# Altium PCB Length Bar Comparator.PcbDoc (part 1 of 6) (continued)
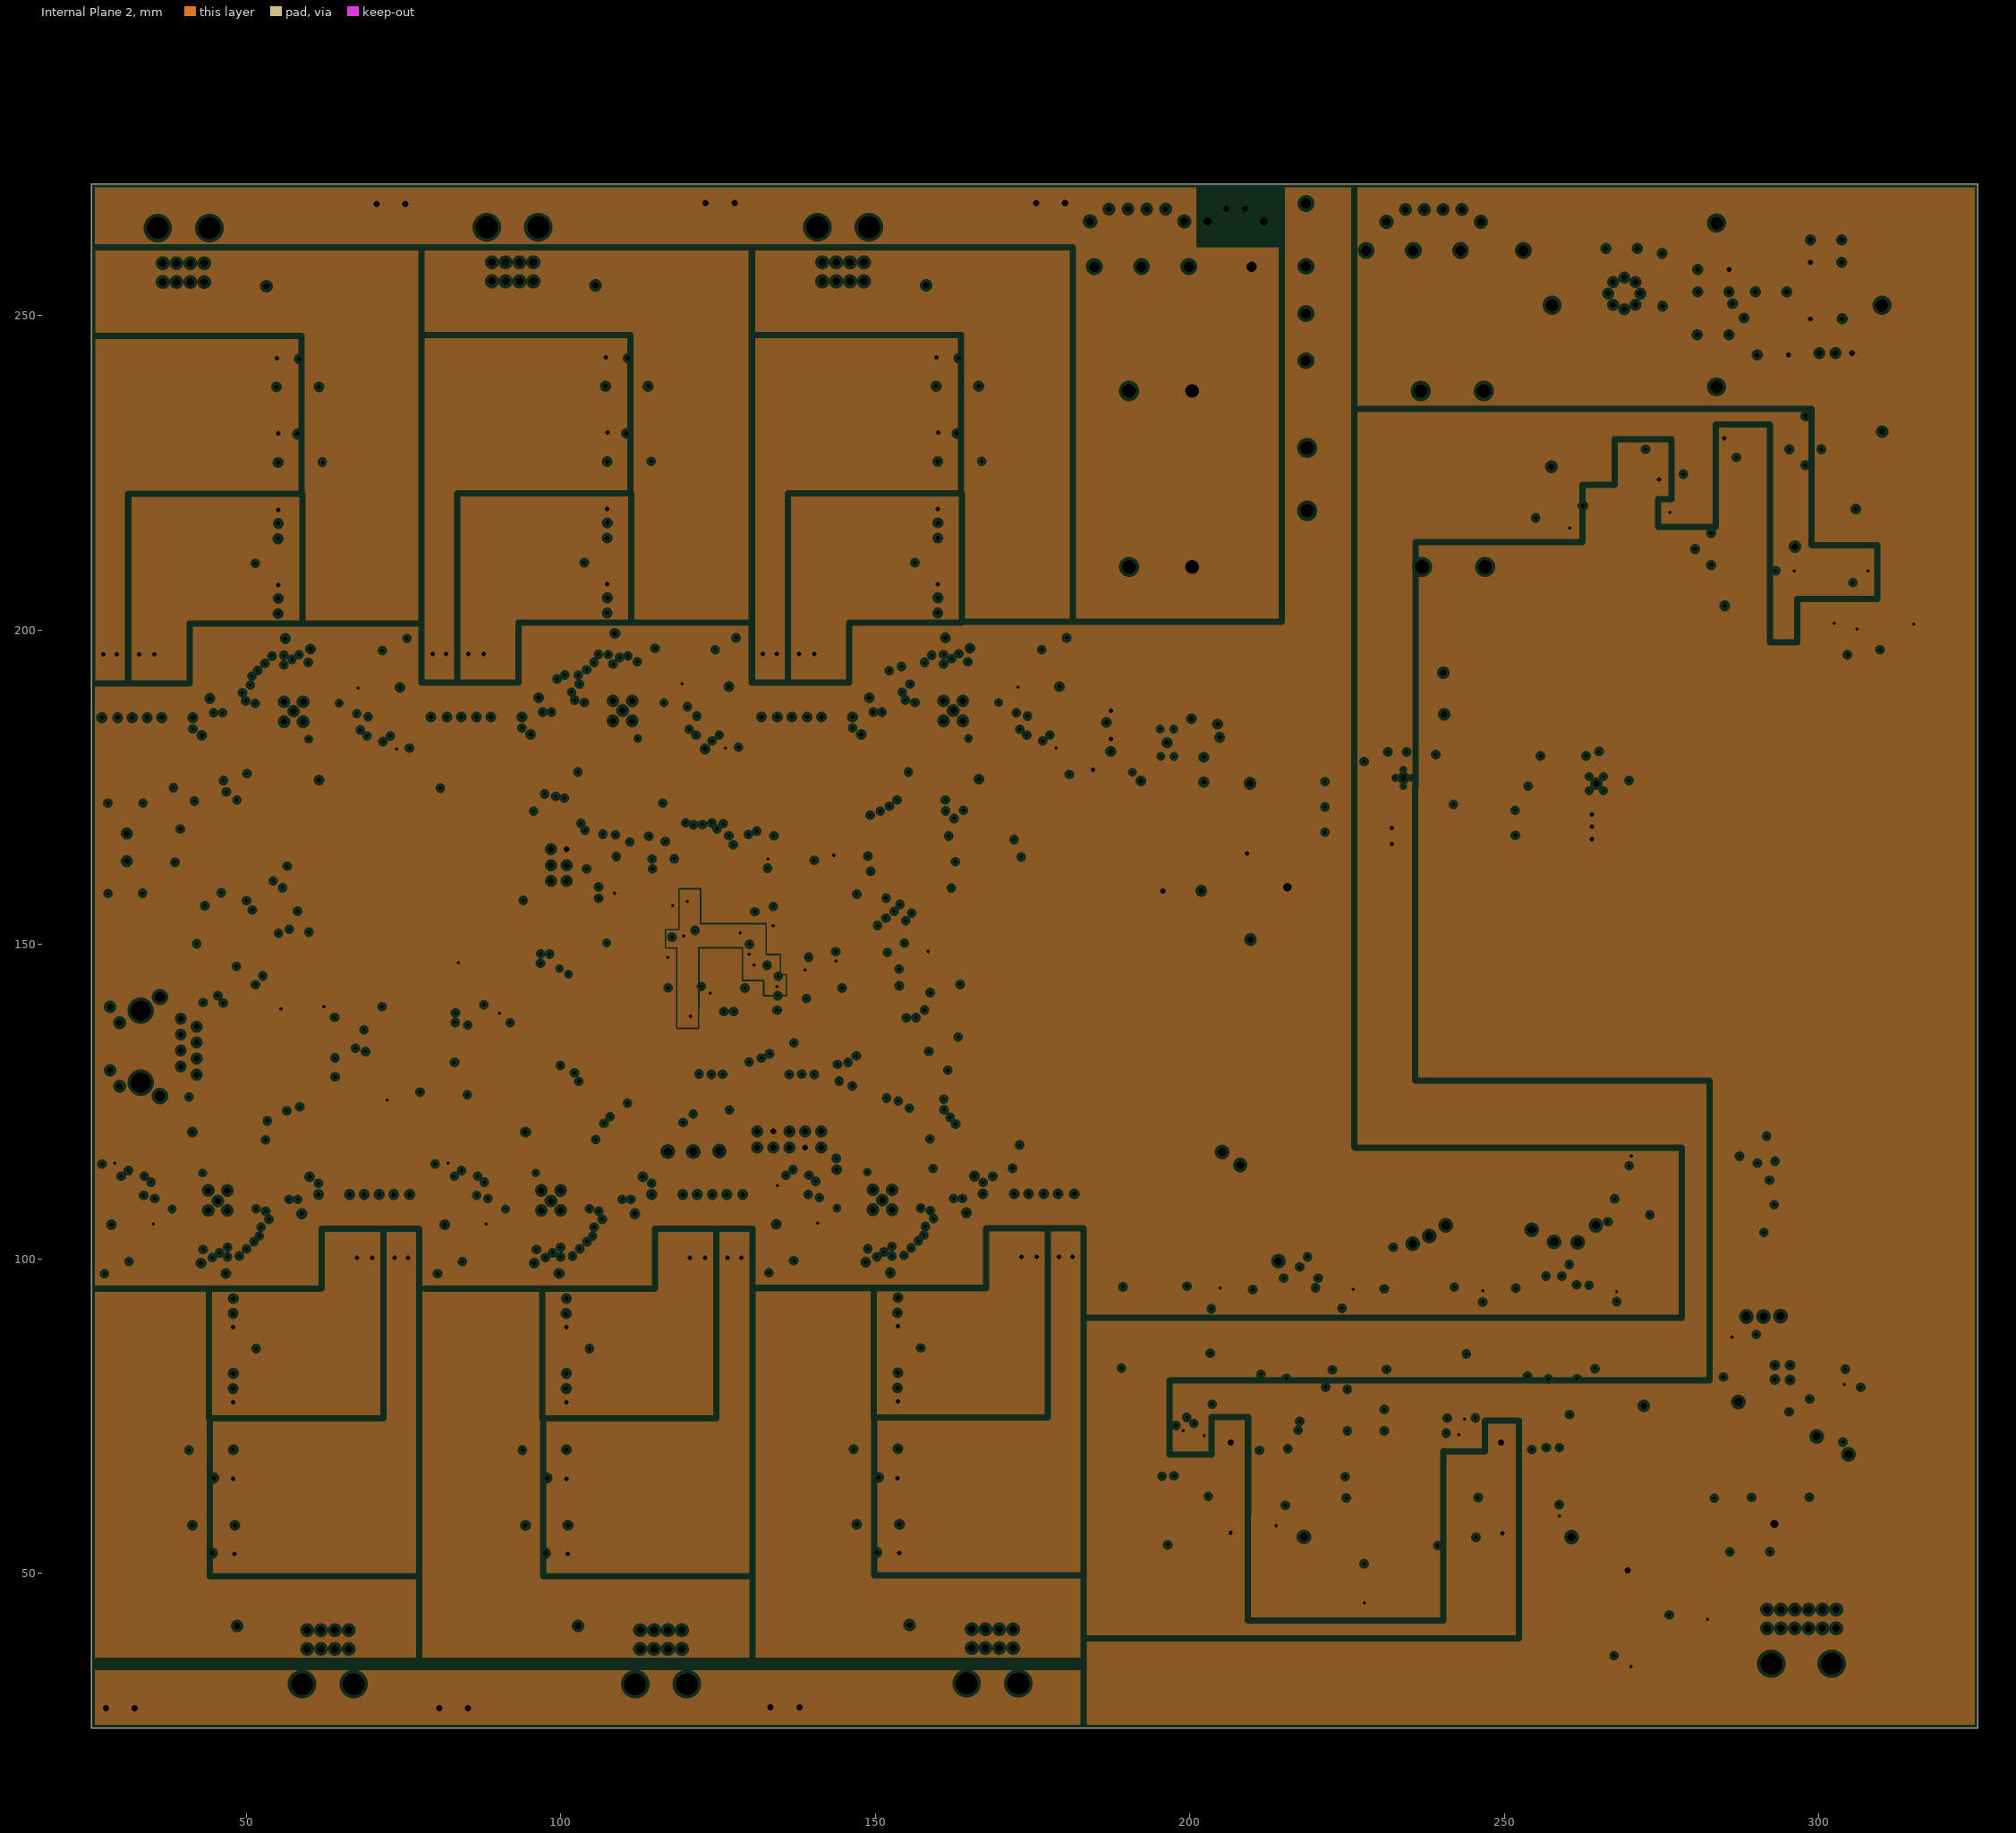
[diagram p3: Internal Plane 2, clearances drawn from the general rule]

## Layer stack, top to bottom
Top Solder: solder mask 0.0102, Solder Resist, Dk 3.5
Top Layer: signal copper 0.0356
Dielectric 1: core 0.254, FR-4, Dk 4.2
Internal Plane 1: plane copper 0.036, net (Multiple Nets)
Dielectric 3: prepreg 0.127, Dk 4.2
Internal Plane 2: plane copper 0.036, net (Multiple Nets)
Dielectric 2: core 0.254, Dk 4.2
Bottom Layer: signal copper 0.0356
Bottom Solder: solder mask 0.0102, Solder Resist, Dk 3.5

## Board outline
25.4,25.4 325.247,25.4 325.247,270.891 25.4,270.891

## Design rules (kind name [scope] priority, off if disabled: settings)
Clearance [All] p1: gap=0.152 ignorepadtopadclearanceinfootprint=FALSE
PlaneClearance [All] p1: clearance=0.508
PlaneConnect [All] p1: planeconnectstyle=Relief reliefexpansion=0.254 reliefentries=4 reliefconductorwidth=0.254 reliefairgap=0.254
PolygonConnect [All] p1: connectstyle=Relief reliefconductorwidth=0.254 reliefentries=4 polygonreliefangle="90 Angle" airgapwidth=0.254
RoutingVias [All] p1: holewidth=0.508 width=1.016 viastyle="Through Hole" minholewidth=0.508 minwidth=1.016 maxholewidth=1 maxwidth=2
SilkToSolderMaskClearance [IsPad] p1 off: minsilkscreentomaskgap=0.254 clearancetoexposedcopper=TRUE
SolderMaskExpansion [All] p1: expansion=0.102
Width [All] p1: maxlimit=2 minlimit=0.152 preferedwidth=0.305
27 further rules are at their usual default settings.

## Classes and differential pairs
component class "Reference Voltage": C146 C147 C148 C149 C150 C151 C152 C153 C154 D7 D8 IC6 IC7 IC8 R80 R81 R82 R83 R84 R85 R86 R87 R88 R89 T2 X4
component class Amplifiers: C132 C133 C134 C135 C136 C137 C138 C139 C140 C141 C142 C143 C144 C145 IC2 IC3 IC4 IC5 R39 R40 R51 R52 R64 R65 R66 R67 R68 R69 R70 R71 R72 R73 R74 R75 R76 R77 R78 R79 X2 X3
component class "Stepping Motor DriverF": C1_6 C2_6 C3_6 C4_6 C5_6 C6_6 C7_6 D1_6 P1_6 Q1_6 Q2_6 Q3_6 Q4_6 Q5_6 Q6_6 Q7_6 Q8_6 R1_6 R2_6 R3_6 R4_6 R6_6 U1_6
component class "Stepping Motor DriverE": C1_5 C2_5 C3_5 C4_5 C5_5 C6_5 C7_5 D1_5 P1_5 Q1_5 Q2_5 Q3_5 Q4_5 Q5_5 Q6_5 Q7_5 Q8_5 R1_5 R2_5 R3_5 R4_5 R6_5 U1_5
component class "Stepping Motor DriverD": C1_4 C2_4 C3_4 C4_4 C5_4 C6_4 C7_4 D1_4 P1_4 Q1_4 Q2_4 Q3_4 Q4_4 Q5_4 Q6_4 Q7_4 Q8_4 R1_4 R2_4 R3_4 R4_4 R6_4 U1_4
component class "Stepping Motor DriverC": C1_3 C2_3 C3_3 C4_3 C5_3 C6_3 C7_3 D1_3 P1_3 Q1_3 Q2_3 Q3_3 Q4_3 Q5_3 Q6_3 Q7_3 Q8_3 R1_3 R2_3 R3_3 R4_3 R6_3 U1_3
component class "Power Regulation": C87 C88 C89 C93 C94 C95 C96 C97 C98 C99 C100 C101 C102 C103 C103a C107 C108 C109 C111 C112 C113 C114 C115 C116 C117 C118 C119 C120 C121 C122 C123 C124 C125 C126 C127 C128 C129 C130 C131 C137a C138a C139a C140a C141a C142a C143a C144a C145a C? D1 D2 D3 D4 D5 D6 D7a D8a D? IC21a L5a LD3 P1 P2 P3 P? R53 R54 R55 R56 R57 R58 R59 R60 R61 R62 R63 R104a R105a R106a R107a REG1 REG2 REG3 REG? S? TP21a U14
component class "Stepping Motor DriverB": C1_2 C2_2 C3_2 C4_2 C5_2 C6_2 C7_2 D1_2 P1_2 Q1_2 Q2_2 Q3_2 Q4_2 Q5_2 Q6_2 Q7_2 Q8_2 R1_2 R2_2 R3_2 R4_2 R6_2 U1_2
component class "Stepping Motor DriverA": C1_1 C2_1 C3_1 C4_1 C5_1 C6_1 C7_1 D1_1 P1_1 Q1_1 Q2_1 Q3_1 Q4_1 Q5_1 Q6_1 Q7_1 Q8_1 R1_1 R2_1 R3_1 R4_1 R6_1 U1_1
component class Microprocessor: C1 C2 C3 C4 C5 C6 C7 C8 C9 C10 C11 C12 C13 C14 C15 C16 C17 C18 C19 C20 C21 C22 C23 C24 C25 C26 C27 C29 C30 C32 C33 C37 C38 C39 C40 C41 C42 C43 C44 C45 C46 C47 C48 C49 C50 C51 C52 C53 C54 C55 C56 C57 C58 C59 C60 C61 C62 C63 C64 C65 C66 C67 C68 C69 C70 C71 C72 C73 CON1 CON2 ERASE1 HEARTBEAT1 J1 L1 L2 L3 L4 L5 L6 L7 L8 L9 R5 R8 R9 R10 R11 R12 R13 R14 R21 R22 R23 R24 R25 R26 R27 R28 R29 R30 R31 R32 R33 R34 R36 R37 R38 R45 R46 R47 R48 R49 R50 RESET1 T1 TP1 TP2 TP3 TP4 TP5 TP6 TP7 TP8 TP9 TP10 TP11 TP12 TP13 TP14 TP15 U2 U3 U4 U5 U6 U7 U8 U9 U10 U11 X1 Y1 Y2 Z1 Z2 Z?
component class "LVDT Driver": * *1 C28 C31 C34 C35 C36 C74 C75 C76 C77 C78 C79 C80 C81 C82 C83 C84 C85 C86 C110 C? J2 L11 LK1 R1 R2 R3 R4 R6 R7 R15 R16 R17 R18 R19 R20 R41 R42 R43 R44 "TOP TON" TP16 TP17 TP18 TP19 TP22 TP23 TP24 TP? U1 U12 U13 U?

## Components (designator, comment, footprint, x,y, rotation, side; value= is the part's Value field where it differs from the comment)
C1 "CAP 100nF 25V 0603(1608)" CAPC0603(1608)100_N 199.111,52.73 r0 top value=100nF
C1_1 "EEH-ZA1H101P" PNSC-ZA-G_L 39.624,41.656 r0 top
C1_2 "EEH-ZA1H101P" PNSC-ZA-G_L 94.361,41.656 r0 top
C1_3 "EEH-ZA1H101P" PNSC-ZA-G_L 147.041,41.783 r0 top
C1_4 "EEH-ZA1H101P" PNSC-ZA-G_L 166.42,254.762 r180 top
C1_5 "EEH-ZA1H101P" PNSC-ZA-G_L 113.867,254.762 r180 top
C1_6 "EEH-ZA1H101P" PNSC-ZA-G_L 61.568,254.635 r180 top
C2 "CAP 10uF 6.3V 0805(2012)" CAPC0805(2012)145_N 199.111,54.458 r180 top value=10uF
C2_1 "CAP 220nF 50V 0805(2012)" CAPC0805(2012)75_L 44.45,116.078 r270 top value=220nF
C2_2 "CAP 220nF 50V 0805(2012)" CAPC0805(2012)75_L 97.409,116.078 r270 top value=220nF
C2_3 "CAP 220nF 50V 0805(2012)" CAPC0805(2012)75_L 150.089,116.205 r270 top value=220nF
C2_4 "CAP 220nF 50V 0805(2012)" CAPC0805(2012)75_L 163.372,180.34 r90 top value=220nF
C2_5 "CAP 220nF 50V 0805(2012)" CAPC0805(2012)75_L 110.819,180.34 r90 top value=220nF
C2_6 "CAP 220nF 50V 0805(2012)" CAPC0805(2012)75_L 58.52,180.213 r90 top value=220nF
C3 "CAP 10uF 6.3V 0805(2012)" CAPC0805(2012)145_N 39.446,172.39 r270 top value=10uF
C3_1 "CAP 220nF 50V 0805(2012)" CAPC0805(2012)75_L 44.45,119.507 r270 top value=220nF
C3_2 "CAP 220nF 50V 0805(2012)" CAPC0805(2012)75_L 97.409,119.507 r270 top value=220nF
C3_3 "CAP 220nF 50V 0805(2012)" CAPC0805(2012)75_L 150.089,119.634 r270 top value=220nF
C3_4 "CAP 220nF 50V 0805(2012)" CAPC0805(2012)75_L 163.372,176.911 r90 top value=220nF
C3_5 "CAP 220nF 50V 0805(2012)" CAPC0805(2012)75_L 110.819,176.911 r90 top value=220nF
C3_6 "CAP 220nF 50V 0805(2012)" CAPC0805(2012)75_L 58.52,176.784 r90 top value=220nF
C4 "CAP 100nF 25V 0603(1608)" CAPC0603(1608)100_N 37.516,172.39 r90 top value=100nF
C4_1 "CAP 100nF 50V 1812(4532)" CAPC1812(4532)110_N 48.913,118.999 r180 top value=100nF
C4_2 "CAP 100nF 50V 1812(4532)" CAPC1812(4532)110_N 101.872,118.999 r180 top value=100nF
C4_3 "CAP 100nF 50V 1812(4532)" CAPC1812(4532)110_N 154.552,119.126 r180 top value=100nF
C4_4 "CAP 100nF 50V 1812(4532)" CAPC1812(4532)110_N 158.909,177.419 r0 top value=100nF
C4_5 "CAP 100nF 50V 1812(4532)" CAPC1812(4532)110_N 106.356,177.419 r0 top value=100nF
C4_6 "CAP 100nF 50V 1812(4532)" CAPC1812(4532)110_N 54.057,177.292 r0 top value=100nF
C5 "CAP 10pF 25V 0805(2012)" CAPC0805(2012)100_M 206.527,76.86 r180 top value=10pF
C5_1 "CAP 100nF 50V 1812(4532)" CAPC1812(4532)110_N 35.433,104.775 r0 top value=100nF
C5_2 "CAP 100nF 50V 1812(4532)" CAPC1812(4532)110_N 88.392,104.775 r0 top value=100nF
C5_3 "CAP 100nF 50V 1812(4532)" CAPC1812(4532)110_N 141.072,104.902 r0 top value=100nF
C5_4 "CAP 100nF 50V 1812(4532)" CAPC1812(4532)110_N 172.389,191.643 r180 top value=100nF
C5_5 "CAP 100nF 50V 1812(4532)" CAPC1812(4532)110_N 119.836,191.643 r180 top value=100nF
C5_6 "CAP 100nF 50V 1812(4532)" CAPC1812(4532)110_N 67.537,191.516 r180 top value=100nF
C6 "0.01u" C0805 158.09,145.339 r180 top
C6_1 "CAP 1nF 50V 1206(3216)" CAPC1206(3216)170_N 38.203,99.568 r0 top value=1nF
C6_2 "CAP 1nF 50V 1206(3216)" CAPC1206(3216)170_N 91.162,99.568 r0 top value=1nF
C6_3 "CAP 1nF 50V 1206(3216)" CAPC1206(3216)170_N 143.842,99.695 r0 top value=1nF
C6_4 "CAP 1nF 50V 1206(3216)" CAPC1206(3216)170_N 169.619,196.85 r180 top value=1nF
C6_5 "CAP 1nF 50V 1206(3216)" CAPC1206(3216)170_N 118.567,196.901 r180 top value=1nF
C6_6 "CAP 1nF 50V 1206(3216)" CAPC1206(3216)170_N 64.767,196.723 r180 top value=1nF
C7 "CAP 100nF 25V 0603(1608)" CAPC0603(1608)100_N 213.69,60.02 r90 top value=100nF
C7_1 "CAP 4.7uF 50V 2220(5750)" CAPC2220(5750)230_L 29.337,104.521 r270 top value=4.7uF
C7_2 "CAP 4.7uF 50V 2220(5750)" CAPC2220(5750)230_L 82.296,104.521 r270 top value=4.7uF
C7_3 "CAP 4.7uF 50V 2220(5750)" CAPC2220(5750)230_L 134.976,104.648 r270 top value=4.7uF
C7_4 "CAP 4.7uF 50V 2220(5750)" CAPC2220(5750)230_L 178.485,191.897 r90 top value=4.7uF
C7_5 "CAP 4.7uF 50V 2220(5750)" CAPC2220(5750)230_L 125.932,191.897 r90 top value=4.7uF
C7_6 "CAP 4.7uF 50V 2220(5750)" CAPC2220(5750)230_L 73.633,191.77 r90 top value=4.7uF
C8 "CAP 10uF 6.3V 0805(2012)" CAPC0805(2012)145_N 211.684,60.02 r270 top value=10uF
C9 "CAP 100nF 25V 0603(1608)" CAPC0603(1608)100_N 214.605,71.45 r0 top value=100nF
C10 "CAP 10uF 6.3V 0805(2012)" CAPC0805(2012)145_N 214.63,73 r180 top value=10uF
C11 "CAP 100nF 25V 0603(1608)" CAPC0603(1608)100_N 224.307,82.55 r270 top value=100nF
C12 "CAP 100nF 25V 0603(1608)" CAPC0603(1608)100_N 224.079,94.437 r270 top value=100nF
C13 "CAP 10uF 6.3V 0805(2012)" CAPC0805(2012)145_N 202.082,64.795 r90 top value=10uF
C14 "CAP 100nF 25V 0603(1608)" CAPC0603(1608)100_N 204.038,64.821 r270 top value=100nF
C15 "10u" C0805 116.992,145.542 r270 bottom
C16 "0.1u" C0805 118.618,161.544 r90 top
C17 "0.1u" C0805 133.731,153.746 r90 bottom
C18 "0.1u" C0805 141.859,148.107 r90 top
C19 "0.1u" C0805 134.747,147.498 r90 bottom
C20 "0.1u" C0805 132.512,140.183 r90 bottom
C21 "0.1u" C0805 123.241,139.294 r0 bottom
C22 "0.1u" C0805 140.665,143.231 r90 bottom
C23 "10u" C0805 142.545,143.205 r90 bottom
C24 "0.1u" C0805 145.034,162.738 r90 top
C25 "10u" C0805 146.964,162.712 r90 top
C26 "0.1u" C0805 134.62,162.89 r270 top
C27 "0.1u" C0805 138.354,162.687 r90 top
C28 "C1206C474K5RACTU" CAPC3216X100X50LL20T25 265.328,36.017 r90 top
C29 "0.1u" C0805 129.921,139.243 r180 bottom
C30 "10u" C0805 129.946,141.173 r180 bottom
C31 "CAP 10nF 25V 0805(2012)" CAPC0805(2012)75_L 285.369,83.668 r0 top value=10nF
C32 "CAP 10uF 6.3V 0805(2012)" CAPC0805(2012)145_N 199.441,69.088 r0 top value=10uF
C33 "CAP 100nF 25V 0603(1608)" CAPC0603(1608)100_N 199.441,70.866 r180 top value=100nF
C34 "C1206C474K5RACTU" CAPC3216X100X50LL20T25 262.915,36.047 r90 top
C35 "100nF" CAPC0805(2012)75_N 306.007,74.867 r180 top
C36 "CAP 47nF 100V 1206(3216)" CAPC1206(3216)100_L 283.503,49.874 r90 top value=47nF
C37 "10u" C0805 125.171,151.409 r180 bottom
C38 "0.1u" C0805 130.785,152.705 r90 bottom
C39 "0.1u" C0805 119.583,149.555 r0 bottom
C40 "0.1u" C0805 120.117,154.686 r270 bottom
C41 "0.1u" C0805 132.766,149.327 r90 bottom
C42 "0.1u" C0805 132.766,144.272 r90 bottom
C43 "0.1u" C0805 120.548,140.818 r90 bottom
C44 "22p" C1206 139.776,134.899 r90 top
C45 "22p" C1206 146.964,134.899 r270 top
C46 "CAP 100nF 25V 0603(1608)" CAPC0603(1608)100_N 203.327,82.233 r270 top value=100nF
C47 "CAP 100nF 25V 0603(1608)" CAPC0603(1608)100_N 203.327,94.59 r270 top value=100nF
C48 "22p" C0805 149.987,146.787 r0 top
C49 "22p" C0805 149.962,143.662 r0 top
C50 "22p" C0805 163.144,137.744 r270 top
C51 "CAP 100nF 25V 0603(1608)" CAPC0603(1608)100_N 74.981,128.067 r0 top value=100nF
C52 "CAP 10uF 6.3V 0805(2012)" CAPC0805(2012)145_N 74.981,126.314 r180 top value=10uF
C53 "CAP 100nF 25V 0603(1608)" CAPC0603(1608)100_N 66.446,131.902 r180 top value=100nF
C54 "CAP 100nF 25V 0603(1608)" CAPC0603(1608)100_N 69.037,140.106 r0 top value=100nF
C55 "CAP 100nF 25V 0603(1608)" CAPC0603(1608)100_N 242.164,52.781 r0 top value=100nF
C56 "CAP 10uF 6.3V 0805(2012)" CAPC0805(2012)145_N 242.164,54.407 r180 top value=10uF
C57 "CAP 10pF 25V 0805(2012)" CAPC0805(2012)100_M 249.403,77.495 r180 top value=10pF
C58 "CAP 10uF 6.3V 0805(2012)" CAPC0805(2012)145_N 230.886,75.159 r90 top value=10uF
C59 "CAP 10uF 6.3V 0805(2012)" CAPC0805(2012)145_N 225.019,75.159 r90 top value=10uF
C60 "CAP 100nF 25V 0603(1608)" CAPC0603(1608)100_N 256.845,59.944 r90 top value=100nF
C61 "CAP 10uF 6.3V 0805(2012)" CAPC0805(2012)145_N 254.66,59.919 r270 top value=10uF
C62 "CAP 100nF 25V 0603(1608)" CAPC0603(1608)100_N 257.912,71.831 r0 top value=100nF
C63 "CAP 10uF 6.3V 0805(2012)" CAPC0805(2012)145_N 257.912,73.66 r180 top value=10uF
C64 "CAP 10uF 6.3V 1206(3216)" CAPC1206(3216)190_M 82.931,127.737 r90 top value=10uF
C65 "CAP 100nF 25V 0603(1608)" CAPC0603(1608)100_N 266.09,82.41 r270 top value=100nF
C66 "CAP 100nF 25V 0603(1608)" CAPC0603(1608)100_N 266.09,94.018 r270 top value=100nF
C67 "CAP 10uF 6.3V 0805(2012)" CAPC0805(2012)145_N 245.085,64.364 r90 top value=10uF
C68 "CAP 100nF 25V 0603(1608)" CAPC0603(1608)100_N 246.939,64.414 r270 top value=100nF
C69 "1206GC102KAZ1A" CAPC3317X180X60LL30T20 38.227,150.038 r180 top
C70 "CAP 10uF 6.3V 0805(2012)" CAPC0805(2012)145_N 242.011,68.834 r0 top value=10uF
C71 "CAP 100nF 25V 0603(1608)" CAPC0603(1608)100_N 242.011,70.637 r180 top value=100nF
C72 "CAP 100nF 25V 0603(1608)" CAPC0603(1608)100_N 244.754,82.461 r270 top value=100nF
C73 "CAP 100nF 25V 0603(1608)" CAPC0603(1608)100_N 244.754,93.993 r270 top value=100nF
C74 "CAP 47nF 100V 1206(3216)" CAPC1206(3216)100_L 285.763,49.899 r90 top value=47nF
C75 "CAP 330pF 100V 1206(3216)" CAPC1206(3216)170_L 306.439,77.839 r0 top value=330pF
C76 "CAP 47nF 100V 1206(3216)" CAPC1206(3216)100_L 288.049,49.874 r90 top value=47nF
C77 "CAP 47nF 100V 1206(3216)" CAPC1206(3216)100_L 290.285,49.899 r90 top value=47nF
C78 "CAP 680nF 25V 0805(2012)" CAPC0805(2012)100_N 306.922,81.268 r180 top value=680nF
C79 "CAP 100nF 25V 0603(1608)" CAPC0603(1608)100_N 291.211,106.299 r270 top value=100nF
C80 "CAP 100nF 25V 0805(2012)" CAPC0805(2012)75_N 269.189,35.179 r0 top value=100nF
C81 "100nF" CAPC0805(2012)75_N 306.007,72.429 r180 top
C82 "CAP 4.7uF 50V 2220(5750)" CAPC2220(5750)230_L 298.387,66.866 r90 top value=1uF
C83 "100nF" CAPC0805(2012)75_N 302.781,87.339 r180 top
C84 "CAP 470nF 50V 0805(2012)" CAPC0805(2012)145_M 302.731,84.189 r180 top value=470nF
C85 "100nF" CAPC0805(2012)75_N 285.166,85.7 r0 top
C86 "100nF" CAPC0805(2012)75_N 298.514,75.121 r270 top
C87 "CAP 100nF 25V 1206(3216)" CAPC1206(3216)190_N 257.124,175.184 r0 top value=100nF
C88 "TPSC226K025R0275" CAPMP6032X28-T_V 256.692,171.298 r180 top
C89 "TPSC226K025R0275" CAPMP6032X28-T_V 256.692,167.386 r180 top
C93 "l" C0805 259.131,179.959 r0 top value=10nF
C94 "Cap 381LX153M025" "Cap 15000uF" 241.906,210 r180 top value=15000uF
C95 "22uF" "Case D" 264.744,192.329 r180 top
C96 "22uF" "Case D" 264.744,186.131 r180 top
C97 "l" C1206 268.834,181.915 r180 top value=1uF
C98 "l" C0805 229.057,180.772 r180 top value=10nF
C99 "Cap 381LX153M025" "Cap 15000uF" 241.681,238 r180 top value=15000uF
C100 "22uF" "Case D" 232.055,193.192 r0 top
C101 "22uF" "Case D" 232.055,186.588 r0 top
C102 "TPSC226K025R0275" CAPMP6032X28-T_V 226.67,171.856 r0 top
C103 "TPSC226K025R0275" CAPMP6032X28-T_V 226.67,167.843 r0 top
C103a "CGA6P3X7S1H106K250AB" CAPC3225X280X20LL40 220.497,182.855 r90 top
C107 "CAP 100nF 25V 1206(3216)" CAPC1206(3216)190_N 227.127,175.895 r180 top value=100nF
C108 "l" C0805 233.147,170.358 r180 top value=10nF
C109 "l" C1206 237.693,182.27 r180 top value=1uF
C110 "CAP 100nF 25V 0603(1608)" CAPC0603(1608)100_N 272.009,115.951 r270 top value=100nF
C111 "CAP 10uF 16V 1210(3225)" CAPC1210(3225)230_N 267.792,53.416 r180 top value=10uF
C112 "CAP 10uF 16V 1210(3225)" CAPC1210(3225)230_N 227.686,48.362 r90 top value=10uF
C113 "CAP 100nF 25V 1206(3216)" CAPC1206(3216)190_N 267.794,56.49 r0 top value=100nF
C114 "Cap 381LX153M025" "Cap 15000uF" 218.592,223.948 r90 top
C115 "Cap 381LX153M025" "Cap 15000uF" 195.326,238 r180 top
C116 "Cap 381LX153M025" "Cap 15000uF" 195.326,210 r180 top
C127 "CAP 100nF 25V 1206(3216)" CAPC1206(3216)190_N 274.422,54.61 r0 top value=100nF
C128 "CAP 100uF 6.3V 1210(3225)" CAPC1210(3225)280_M 274.168,51.003 r180 top value=100uF
C129 "CAP 100nF 25V 1206(3216)" CAPC1206(3216)190_N 231.8,50.292 r0 top value=100nF
C130 "CAP 100nF 25V 1206(3216)" CAPC1206(3216)190_N 229.184,61.976 r0 top value=100nF
C131 "CAP 100uF 6.3V 1210(3225)" CAPC1210(3225)280_M 229.159,65.329 r180 top value=100uF
C132 "CAP 1nF 50V 1206(3216)" CAPC1206(3216)100_N 268.326,214.833 r180 top value=1nF
C133 "CAP 1nF 50V 1206(3216)" CAPC1206(3216)100_N 309.778,216.738 r270 top value=1nF
C134 "CAP 1uF 50V 1206(3216)" CAPC1206(3216)110_N 272.415,225.45 r90 top value=1uF
C135 "CAP 1uF 50V 1206(3216)" CAPC1206(3216)110_N 311.734,198.347 r270 top value=1uF
C136 "CAP 1uF 50V 1206(3216)" CAPC1206(3216)110_N 301.295,197.561 r270 top value=1uF
C137 "CAP 1uF 50V 1206(3216)" CAPC1206(3216)110_N 288.569,228.524 r270 top value=1uF
C137a "TAJD106M035RNJ" FP-TAJD-MFG 209.22,182.296 r90 top value=10uF
C138 "CAP 1uF 50V 1206(3216)" CAPC1206(3216)110_N 267.462,225.247 r0 top value=1uF
C138a "CC0603KRX7R7BB684" FP-CC0603-DA-MFG 198.958,156.286 r0 top value="680 nF"
C139 "CAP 1uF 50V 1206(3216)" CAPC1206(3216)110_N 306.019,204.292 r270 top value=1uF
C139a "C0603C472G5GACTU" FP-C0603C-CF-MFG 181.788,183.251 r270 top value="4,700 pF"
C140 "CAP 1uF 50V 1206(3216)" CAPC1206(3216)110_N 294.335,204.292 r270 top value=1uF
C140a "CAP 470pF 50V 0603(1608)" CAPC0603(1608)100_M 189.632,184.868 r0 top value=470pF
C141 "CAP 1uF 50V 1206(3216)" CAPC1206(3216)110_N 283.616,227.482 r0 top value=1uF
C141a "CAP 100nF 16V 0805(2012)" CAPC0805(2012)100_L 189.678,187.152 r180 top value=100nF
C142 "CAP 1uF 50V 1206(3216)" CAPC1206(3216)110_N 258.445,217.805 r0 top value=1uF
C142a "CAP 1uF 6.3V 0805(2012)" CAPC0805(2012)145_N 202.383,185.731 r270 top value=1uF
C143 "CAP 1uF 50V 1206(3216)" CAPC1206(3216)110_N 294.589,209.398 r0 top value=1uF
C143a "CAP 27pF 50V 0603(1608)" CAPC0603(1608)100_L 187.423,177.73 r180 top value=27pF
C144 "CAP 1uF 50V 1206(3216)" CAPC1206(3216)110_N 306.857,209.321 r0 top value=1uF
C144a "TPSC226K025R0275" CAPMP6032X28-T_V 209.626,155.219 r270 top
C145 "CAP 1uF 50V 1206(3216)" CAPC1206(3216)110_N 278.409,221.666 r270 top value=1uF
C145a "CGA6P3X7S1H106K250AB" CAPC3225X280X20LL40 205.892,155.6 r90 top
C146 "BFC247076104" "Cap 5mm polyester" 301.092,262.026 r0 top
C147 "1uF" "Capacitor 7mmx3mm 5mm pitch" 301.092,258.47 r180 top
C148 "1uF" "Capacitor 7mmx3mm 5mm pitch" 301.132,249.453 r180 top
C149 "100nF" "Cap 5mm polyester" 268.58,260.629 r180 top
C150 "20nF" "Cap 5mm polyester" 283.185,253.771 r0 top
C151 "1uF" "Capacitor 7mmx3mm 5mm pitch" 283.185,257.327 r180 top
C152 "1uF" "Capacitor 7mmx3mm 5mm pitch" 292.623,243.738 r180 top
C153 "1uF" "Capacitor 7mmx3mm 5mm pitch" 292.354,253.746 r0 top
C154 "1uF" "Capacitor 7mmx3mm 5mm pitch" 283.138,246.913 r180 top
CON1 "SPI PROG" CON06 99.67,162.611 r270 top
CON2 "JTAG" CON10 136.296,118.974 r0 top
D1 "GBJ1006" DIOD-GBJ-4_V 240.487,260.325 r180 top
D1_1 "MBRD1045G" ONSC-DPAK-3-369C-01_V 29.972,35.941 r90 top
D1_2 "MBRD1045G" ONSC-DPAK-3-369C-01_V 82.931,35.941 r90 top
D1_3 "MBRD1045G" ONSC-DPAK-3-369C-01_V 135.611,36.068 r90 top
D1_4 "MBRD1045G" ONSC-DPAK-3-369C-01_V 177.85,260.477 r270 top
D1_5 "MBRD1045G" ONSC-DPAK-3-369C-01_V 125.297,260.477 r270 top
D1_6 "MBRD1045G" ONSC-DPAK-3-369C-01_V 72.998,260.35 r270 top
D2 "GBJ1006" DIOD-GBJ-4_V 218.415,255.295 r270 top
D3 "GBJ1006" DIOD-GBJ-4_V 197.307,257.759 r180 top
D7 "1N4448W-TP" MCC-SOD123_V 280.391,241.706 r180 top
D7a "JANTX1N4148-1" MCSM-DO-35-2 198.755,158.521 r0 top
D8 "1N4448W-TP" MCC-SOD123_V 286.106,243.738 r180 top
D8a "MBRS3201T3G" ONSC-SMC-2-403-03_V 202.692,175.666 r0 top
ERASE1 "PUCHBUTTON" PUCHBUTTON 88.951,147.091 r0 top
HEARTBEAT1 "HEARTBEAT" CHIPLED_0805 145.796,155.143 r270 top
IC2 "*" SO8_L 284.44,222.377 r0 top
IC3 "LTC1150CS8" LT-S8-8_M 267.422,220.472 r0 top
IC4 "*" SO8_L 310.439,204.343 r270 top
IC5 "LTC1150CS8" LT-S8-8_M 298.856,204.292 r270 top
IC6 "LT1012ACS8#TRPBF" LT-S8-8_M 292.329,258.597 r0 top
IC7 "LTZ1000a" H-08A 269.019,253.499 r0 top
IC8 "LT1012ACS8#TRPBF" LT-S8-8_M 292.496,248.818 r0 top
IC21a "LT3434EFE#PBF" LT-FE-16-EPV-BC_M 196.367,182.085 r180 top
J1 "J0011D21BNL" PULS-J00XXD21XNL-B-12 33.223,133.756 r90 top
J2 "Part Number: 1318772-2" CONN12_1318772 302.705,44.236 r180 top value=Value
L1 "MH2029-300Y" 0805 226.314,82.245 r90 top
L2 "MH2029-300Y" 0805 142.062,163.093 r270 top
L3 "MH2029-300Y" 0805 138.887,143.586 r270 bottom
L4 "MH2029-300Y" 0805 136.55,163.093 r270 top
L5 "MH2029-300Y" 0805 130.734,144.247 r270 bottom
L5a "7447715330" WE-PD-LS 205.003,165.989 r0 top
L6 "MH2029-300Y" 0805 205.562,81.94 r90 top
L7 "MH2029-300Y" 0805 64.973,140.081 r0 top
L8 "MH2029-300Y" 0805 268.351,82.118 r90 top
L9 "MH2029-300Y" 0805 247.117,82.169 r90 top